# Altium PCB PCB_Kasli.PCBDOC (part 11 of 14) (continued)
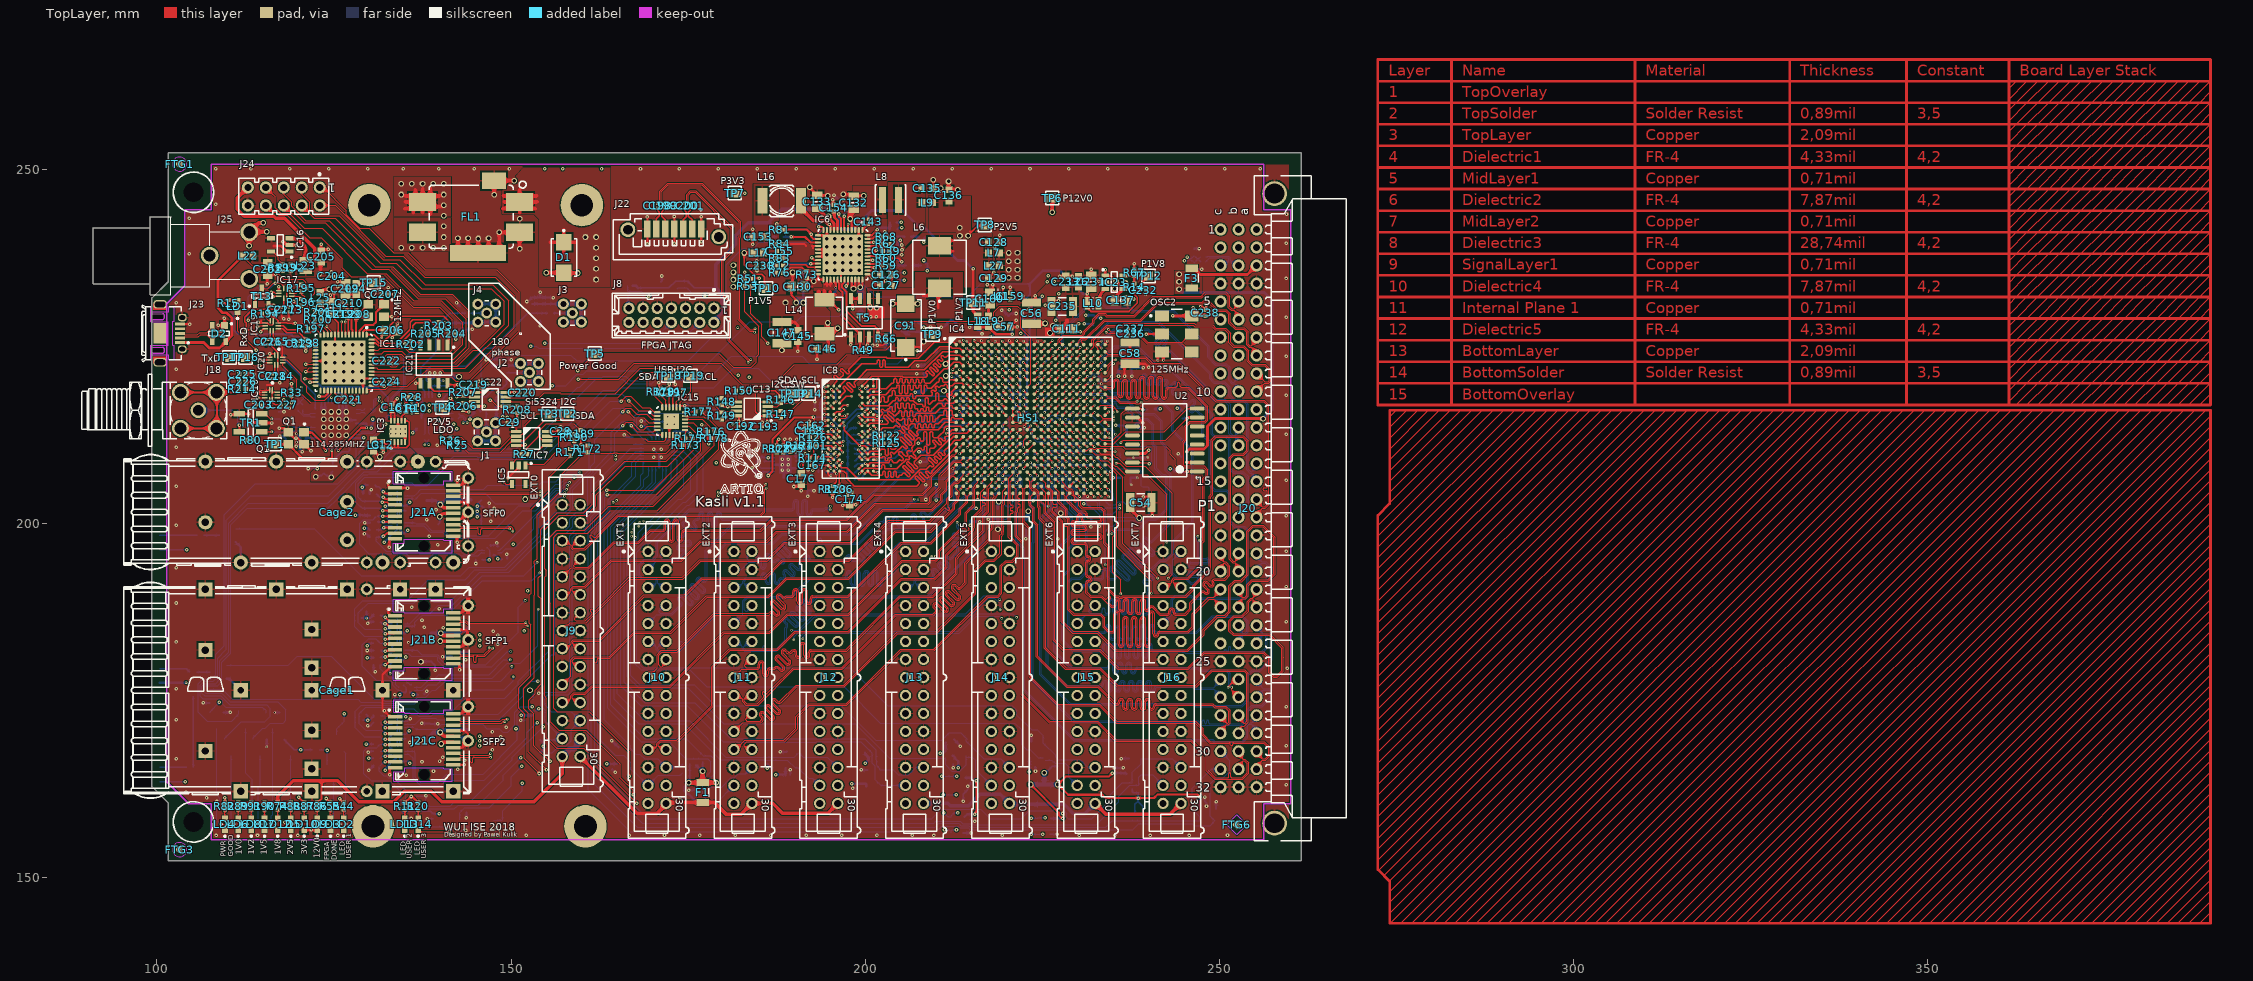
[diagram p0: TopLayer view]
## Nets (pads, with @x,y where several pads share a name; then routed paths per layer and width w, separated by ;. In a path a pad name is that pad's centre, name@x,y a point inside that pad or via, vN(x,y) a via of type N, cw(c..) or ccw(c..) an arc to the next point about the centre after c; other vN are vias at no path point) (continued)
NetC48_2: C48.2 C144.2 J3.2 R31.2 | length 12
  BottomLayer w0.3: C48.2@152.999,231.05 153.016,231.067 J3.2@157.378,231.067 ; J3.2@157.382,228.493 J3.2@159.922,228.493 J3.2@159.922,231.033 J3.2@157.382,231.033
NetC53_2: C53.2 J8.13 R58.1 T13.1 | length 60.4
  TopLayer w0.15: T13.1@113.858,230.879 v1(113.858,231.833)
  MidLayer2 w0.15: v1(113.858,231.833) 114.33,231.361 116.739,231.361 117.275,230.825 119.85,230.825 121.225,229.45 132.525,229.45 133.25,230.175 142.3,230.175 144.625,232.5 146.427,232.5 146.703,232.225 147.096,232.225 147.372,232.5 153.628,232.5 153.903,232.225 154.297,232.225 154.572,232.5 161.05,232.5 163.112,230.438 J8.13@166.644,230.438
  BottomLayer w0.125: J8.13@166.525,230.557 C53.2@166.525,232.125 166.78,232.38 R58.1@167.925,232.38
NetC126_1: C126.1 IC6.40 R59.1 R60.2 | length 4.2
  TopLayer w0.3: IC6.40@200.35,236.748 200.4,236.698 R59.1@202.37,236.698 ; C126.1@202.146,235.204 202.146,236.121 R59.1@202.325,236.3 ; R59.1@202.476,236.474 R60.2@202.476,237.49
NetC126_2: C126.2 C127.2 C128.2 L6.2 L7.1 L27.1 R59.2 | length 7.7
  TopLayer w0.3: R59.2@203.416,236.474 203.416,235.534 C126.2@203.746,235.204 C127.2@203.746,233.68 ; 212.5,238.5 211.25,238.5 L6.2@210.5,239.25 211.25,240 212.6,240
NetC134_1: C134.1 IC6.33 IC6.34 L6.1 T5.5 T5.6 | length 9.5
  TopLayer w0.3: IC6.33@198.1,234.498 198.1,233.463 v3(198.355,233.208) 198.6,233.453 IC6.34@198.6,234.498 ; T5.6@200.533,231.808 200.533,230.717 v3(200.7,230.55) ; T5.5@201.803,231.503 T5.5@201.803,231.808
  TopLayer w0.4: v3(200.7,230.55) 200.7,229.3 v1(200.775,229.225) ; 208.254,232.204 210.312,232.204 210.312,230.538
  other v1: 201.55,229.225
  other v3: 201.61,230.536
NetC134_2: C134.2 IC6.32 | length 2.7
  TopLayer w0.3: v1(197.31,233.586) 197.31,233.61 197.593,233.893 ; IC6.32@197.6,234.498 IC6.32@197.6,234.462 ; 197.593,233.893 197.593,234.455 IC6.32@197.6,234.462 ; 197.593,233.893 197.6,233.9 IC6.32@197.6,234.462
  BottomLayer w0.3: C134.2@197.15,232.525 197.15,233.05 197.31,233.21 v1(197.31,233.586)
NetC135_2: C135.2 C139.2 L8.2 L9.1 R62.2
NetC138_2: C138.2 R63.1 | length 1.2
  BottomLayer w0.3: R63.1@206.718,236.474 C138.2@207.888,236.474
NetC139_1: C139.1 IC6.45 R62.1 R68.2 | length 4.5
  TopLayer w0.3: IC6.45@200.35,239.248 200.4,239.198 201.469,239.198 201.494,239.223 202.476,239.223 R62.1@202.476,239.522 ; C139.1@202.496,238.506 202.496,239.522 R68.2@202.496,240.518
NetC140_1: C140.1 IC6.26 IC6.27 L14.1 T5.7 T5.8 | length 19
  TopLayer w0.254: 194.225,233.775 ccw(c194.051,234.324) IC6.26@194.58,234.097 ; IC6.26@194.6,234.15 cw(c194.051,234.324) IC6.26@194.58,234.097 ; 194.8,233.775 ccw(c194.589,234.287) 195.073,234.02 ; 194.85,233.8 cw(c195.074,234.274) 194.6,234.05 cw(c195.074,234.274) IC6.26@194.58,234.097 ; 195.1,233.975 cw(c195.487,234.236) 195.073,234.02 ; IC6.27@195.1,234.075 cw(c194.589,234.287) 195.073,234.02 ; IC6.27@195.102,234.23 ccw(c195.562,234.311) 195.3,233.925
  TopLayer w0.3: 194.6,233.625 194.6,234.05 194.6,234.15 IC6.26@194.6,234.498 ; 195.1,233.625 195.1,233.975 195.1,234.075 IC6.27@195.1,234.498 ; L14.1@195.326,232.002 195.326,231.676 195.326,231.174 v1(196.25,230.25) ; v1(198.225,230.4) 198.225,231.043 197.993,231.275 T5.8@197.993,231.808 T5.7@199.263,231.808
  TopLayer w0.5: 193.45,232.875 193.45,231.676 193.45,231.501 194.111,231.903 L14.1@194.25,231.988 ; 194.25,232.9 L14.1@194.25,231.988 ; 195.05,232.775 195.05,232.476 L14.1@194.25,231.988 ; 195.8,232.35 194.924,232.35 L14.1@194.25,231.676 L14.1@194.25,231.988
  MidLayer2 w0.3: v1(196.25,230.25) 196.4,230.4 v1(198.225,230.4)
  BottomLayer w0.15: C140.1@195.58,231.806 195.58,230.962 196.25,230.292 v1(196.25,230.25)
NetC140_2: C140.2 IC6.28 | length 2.2
  TopLayer w0.3: IC6.28@195.6,234.498 195.6,234.162 195.85,233.912 v2(195.85,233.375)
  BottomLayer w0.3: C140.2@195.58,232.506 195.58,232.605 195.85,232.875 v2(195.85,233.375)
NetC142_2: C142.2 R70.1 | length 1.1
  BottomLayer w0.3: R70.1@206.464,240.538 206.47,240.538 C142.2@207.576,240.538
NetC143_1: C143.1 IC6.3 L8.1 | length 0.8
  TopLayer w0.254: IC6.3@198.6,241.498 cw(c199.088,241.637) 198.95,242.125
NetC143_2: C143.2 IC6.1 | length 1.1
  TopLayer w0.3: IC6.1@199.6,241.498 C143.2@200.406,242.304
NetC145_2: C145.2 C146.2 C147.2 C150.2 L11.1 L12.1 L13.1 L14.2 L15.1 L28.1 R75.2 | length 17.9
  TopLayer w0.4: C147.2@188.25,228.5 190,228.5 190.5,228 C145.2@190.5,227.325 ; v3(194.716,228.371) L14.2@194.716,227.6 ; C146.2@194.8,224.75 194.8,226.275 L14.2@194.25,226.824 ; L14.2@195.374,226.824 L14.2@194.25,226.824 ; v3(196.15,227.6) L14.2@194.716,227.6 ; L14.2@194.25,226.824 194.716,227.291 L14.2@194.716,227.6
  TopLayer w0.5: L14.2@195.374,226.824 v3(196.15,227.6)
  BottomLayer w0.2: R75.2@187.49,235.458 C150.2@187.49,236.454
  BottomLayer w0.25: 202.5,226.25 203.2,226.25 L11.1@203.7,225.75 203.2,225.25 202.75,225.25 ; 202.75,224.75 203.225,224.75 L28.1@203.7,224.275 ; 202.75,226.75 203.225,226.75 L12.1@203.7,227.225
  BottomLayer w0.35: 202.5,225.75 L11.1@203.7,225.75
  other v3: 188.75,231.25
NetC150_1: C150.1 IC6.21 R75.1 R77.2 | length 8.7
  TopLayer w0.3: v1(192.309,236.748) IC6.21@193.35,236.748
  BottomLayer w0.1: C150.1@188.41,236.474 189.174,236.474 ; R77.2@188.43,237.49 189,237.49 189.174,237.316 189.174,236.748
  BottomLayer w0.3: C150.1@188.41,236.474 188.684,236.748 189.174,236.748 ; R75.1@188.43,235.458 188.536,235.458 189.174,236.096 189.174,236.474 189.448,236.748 v1(192.309,236.748)
NetC151_1: C151.1 IC6.10 L16.1 | length 6.5
  TopLayer w0.25: v1(194.95,242.275) v1@195.1,242.125
  TopLayer w0.3: IC6.10@195.1,241.498 v1@195.1,242.125
  TopLayer w0.5: L16.1@190.939,244.544 192.659,242.824 194.31,242.824 194.859,242.275 v1(194.95,242.275)
  BottomLayer w0.25: C151.1@194.406,242.57 194.701,242.275 v1(194.95,242.275)
NetC151_2: C151.2 IC6.12 | length 1.8
  TopLayer w0.25: v1(193.421,241.935) 193.915,241.935 194.1,241.75 IC6.12@194.1,241.498
  BottomLayer w0.25: v1(193.421,241.935) 193.421,242.285 193.693,242.557 C151.2@193.706,242.57
NetC152_2: C152.2 R79.1 | length 1.8
  BottomLayer w0.25: C152.2@185.712,240.538 R79.1@187.49,240.538
NetC153_2: C153.2 C155.2 L16.2 L17.1 R83.2 | length 0.8
  TopLayer w0.508: 186.75,237.75 186.846,237.654 187.326,237.654 R83.2@187.49,237.49
NetC155_1: C155.1 IC6.16 R83.1 R84.2 | length 6.2
  TopLayer w0.3: R83.1@188.43,237.49 188.43,238.506 R84.2@188.43,239.522 191.389,239.522 191.663,239.248 ; 192.5,239.25 192.502,239.248 IC6.16@193.35,239.248
NetC156_2: C156.2 IC6.38 IC6.43 IC6.44 IC6.47 | length 13.4
  TopLayer w0.3: IC6.38@200.35,235.748 200.878,235.748 v1(201.143,235.483) ; IC6.43@200.35,238.248 201.215,238.248 v1(201.574,238.608) 201.434,238.748 IC6.44@200.35,238.748 ; IC6.47@200.35,240.248 200.4,240.298 201.049,240.298 201.301,240.55 v1(201.7,240.55)
  MidLayer2 w0.3: v1(201.143,235.483) 200.457,236.169 200.457,237.585 201.48,238.608 v1(201.574,238.608) 201.574,239.014 201.905,239.344 201.905,240.157 201.7,240.362 v1(201.7,240.55)
  BottomLayer w0.3: v1(201.574,238.608) 201.828,238.608 202.743,239.522 C156.2@203.512,239.522
NetC157_2: C157.2 IC6.42 | length 3.5
  TopLayer w0.3: IC6.42@200.35,237.748 200.4,237.798 201.548,237.798 v1(201.625,237.875)
  BottomLayer w0.3: v1(201.625,237.875) 201.959,237.875 202.59,238.506 C157.2@203.512,238.506
NetC160_2: C160.2 L19.1 U1.B1 | length 3.4
  TopLayer w0.2: 218.656,231.906 U1.B1@218.952,231.906
  TopLayer w0.3: L19.1@217.424,229.35 217.424,230.674 217.638,230.888 218.656,231.906
NetC175_2: C175.2 IC9.1 R128.2 R129.2 | length 3.5
  TopLayer w0.2: R128.2@187.57,210.15 188.45,210.15 C175.2@189.425,210.15 v1(190.225,210.15)
  BottomLayer w0.3: IC9.1@190.225,209.35 v1(190.225,210.15)
NetC179A_2: C179A.2 C180A.2 C182A.2 C183A.2 J21A.15 L20A.2 | length 3.4
  TopLayer w0.4: v3(139.925,201.025) 140.373,201.473 J21A.15@141.834,201.473
  BottomLayer w0.2: C179A.2@139.65,199.85 139.925,200.125 v3(139.925,201.025)
NetC179B_2: C179B.2 C180B.2 C182B.2 C183B.2 J21B.15 L20B.2 | length 3.1
  TopLayer w0.4: v3@140.042,183.433 J21B.15@141.829,183.433
  BottomLayer w0.4: C180B.2@142.748,181.806 142.806,181.864 L20B.2@144.03,181.864
  other v3: 140.025,183.45
NetC179C_2: C179C.2 C180C.2 C182C.2 C183C.2 J21C.15 L20C.2 | length 1.8
  TopLayer w0.5: v3(140.125,168.925) 140.388,169.188 J21C.15@141.844,169.188
NetC184A_2: C184A.2 C185A.2 J21A.16 L21A.2 | length 8.9
  TopLayer w0.4: v3(140,202.725) 140.452,202.273 J21A.16@141.834,202.273
  BottomLayer w0.4: C184A.2@138.1,203.3 139.425,203.3 v3(140,202.725) 140.725,203.45 141.525,203.45 144.313,203.45 L21A.2@144.386,203.378
NetC184B_2: C184B.2 C185B.2 J21B.16 L21B.2 | length 7.5
  TopLayer w0.5: v3(140.075,184.575) 140.417,184.233 J21B.16@141.829,184.233
  BottomLayer w0.5: C184B.2@138.75,184.575 v3(140.075,184.575) 141.775,184.575 142.754,184.575 143.083,184.904 143.514,184.904 L21B.2@144.03,185.42
NetC184C_2: C184C.2 C185C.2 J21C.16 L21C.2 | length 8
  TopLayer w0.5: v3(139.975,170.55) 140.537,169.988 J21C.16@141.844,169.988
  BottomLayer w0.5: C184C.2@138.525,170.025 139.05,170.55 v3(139.975,170.55) 140.367,170.942 141.8,170.942 L21C.2@144.03,170.942
NetC194_2: C194.2 C195.2 J4.2 R32.2 | length 11.4
  BottomLayer w0.3: C194.2@141.606,228.359 C195.2@143.606,228.359 145.174,228.359 J4.2@145.299,228.484 J4.2@147.839,228.484 J4.2@147.839,231.024 ; J4.2@145.299,231.024 145.334,231.059 J4.2@147.839,231.059
NetC202_2: C202.2 IC16.1 IC16.4 L22.2 | length 2.6
  TopLayer w0.4: 116.5,239.25 117.5,239.25 118.309,238.441 IC16.1@118.72,238.441
NetC207_2: C207.2 IC18.3 Q2.1 TP15.1 | length 9.8
  TopLayer w0.125: TP15.1@130.6,234.075 131.757,232.918 C207.2@131.757,232.41
  TopLayer w0.3: IC18.3@128.615,226.708 128.615,227.294 129.413,228.092 130.556,228.092 130.937,228.473 130.937,229.874 131.757,230.694 131.757,230.974 C207.2@131.757,232.41
NetC208_2: C208.2 IC18.4 Q2.3 | length 4
  TopLayer w0.3: IC18.4@128.115,226.708 C208.2@128.115,229.138 ; C208.2@128.143,229.166 Q2.3@129.729,229.166
NetC209_2: C209.2 C210.2 IC18.5 L24.2 | length 7.5
  TopLayer w0.3: C209.2@126.619,232.372 126.669,232.422 L24.2@128.143,232.422 127.615,231.894 C210.2@127.615,231.14 ; C210.2@127.477,231.14 127.477,227.456 127.608,227.325 127.608,226.715 IC18.5@127.615,226.708
NetC211_2: C211.2 C212.2 IC18.9 L25.2 | length 5.7
  TopLayer w0.2: L25.2@123.063,231.152 123.063,231.012 124.475,229.6 C211.2@124.5,229.6 ; IC18.9@125.615,226.708 125.585,226.738 125.585,228.425 125.1,228.91 125.1,229.266 C212.2@125.857,229.266
NetC225_2: C225.2 C226.2 J18.2 R214.2 | length 20.1
  TopLayer w0.3: J18.2@103.678,213.487 J18.2@108.39,213.487 108.458,213.487 J18.2@108.458,218.567 ; J18.2@103.678,218.567 J18.2@108.39,218.567 J18.2@108.458,218.567 ; C225.2@111.625,221.15 111.625,220.06 111.625,219.045 R214.2@111.605,219.025 111.147,218.567 J18.2@108.458,218.567
NetC228_1: C228.1 J18.1 | length 4.8
  BottomLayer w0.19: J18.1@105.85,216.027 C228.1@110.673,216.027
NetC228_2: C228.2 R80.1 TR1.4 | length 5
  TopLayer w0.19: TR1.4@111.635,212.997 111.832,212.8 112.225,212.8 112.225,212.355 R80.1@112.755,211.825 ; TR1.4@111.65,213.013 v1(111.65,213.9)
  BottomLayer w0.19: C228.2@111.425,216.025 111.425,214.209 111.65,213.984 v1(111.65,213.9)
NetC230_2: C230.2 R12.1 | length 1.9
  TopLayer w0.25: C230.2@185.616,236.474 R12.1@187.49,236.474
NetD2_4: D2.4 J23.1 L22.1 R200.1 | length 39.3
  TopLayer w0.15: L22.1@112.075,237.825 113.45,236.45 114.572,236.45 115.022,236 116.5,236 116.775,235.725 116.947,235.725 117.225,235.447 117.225,235.275 117.931,234.569 120.581,234.569 121.031,234.119 121.031,233.858 121.239,233.65 121.775,233.65 122.3,233.125 122.3,232.578 121.55,231.828 121.55,229.643 R200.1@122.339,228.854
  TopLayer w0.4: J23.1@103.425,225.6 106.616,225.6 107.375,224.841 108.84,224.841 D2.4@109.722,225.723 110.575,226.575 110.575,229.05 109.825,229.8 109.275,229.8 108.6,230.475 108.6,234.35 L22.1@112.075,237.825
NetF1_2: F1.2 J9.30 J10.30 J11.30 J12.30 | length 42.8
  TopLayer w0.5: J9.30@159.766,167.132 167.798,159.1 170.6,159.1 171.886,160.386 J10.30@171.886,160.528 172.01,160.652 177.05,160.652 178.723,160.652 180.35,159.025 182.502,159.025 J11.30@184.005,160.528 186.947,160.528 188.325,159.15 194.746,159.15 J12.30@196.124,160.528
NetF2_2: F2.2 J13.30 J14.30 J15.30 J16.30 | length 40
  TopLayer w0.5: J15.30@232.483,160.528 233.986,159.025 243.099,159.025 J16.30@244.602,160.528
  BottomLayer w0.5: J13.30@208.244,160.528 211.672,160.528 212,160.2 214.6,160.2 216.218,161.818 219.073,161.818 J14.30@220.363,160.528 ; J14.30@220.493,160.398 F2.2@225.298,160.398 228.102,160.398 229.425,159.075 231.03,159.075 J15.30@232.483,160.528
NetF3_2: F3.2 J20.a3 | length 10
  TopLayer w0.4: F3.2@246.126,236.096 246.404,236.096 247.276,235.224 253.974,235.224 255.247,236.497 J20.a3@255.25,236.5
NetFL1_1: FL1.1 J25.3 | length 38.8
  TopLayer w0.5: v3(113,239.25) 113,241.137 J25.3@113.036,241.173 J25.3@113.113,241.25 ; v3(115,242.5) 114.363,242.5 J25.3@113.113,241.25 ; v3(115.5,241.25) J25.3@113.113,241.25 ; 135,244.5 FL1.1@136.559,244.5 ; 135,246.3 FL1.1@136.669,246.3 ; 135.045,245.455 FL1.1@137.514,245.455 ; 136.2,243.9 136.2,244.141 FL1.1@136.559,244.5 ; 136.5,247.2 136.5,246.469 FL1.1@136.669,246.3 ; 137.514,243.914 FL1.1@137.514,245.455 ; 137.514,247.286 FL1.1@137.514,245.455 ; 138.6,243.7 138.6,244.369 FL1.1@138.169,244.8 ; 138.6,247.4 138.6,246.541 FL1.1@138.359,246.3 ; v3@140.2,244.8 FL1.1@138.169,244.8 ; v3@140.2,246.3 FL1.1@138.359,246.3 ; FL1.1@136.559,244.5 FL1.1@137.514,245.455 ; FL1.1@136.669,246.3 FL1.1@137.514,245.455 ; FL1.1@137.514,245.455 FL1.1@138.359,246.3 ; FL1.1@137.514,245.455 FL1.1@138.169,244.8
  MidLayer2 w0.35: 112.059,240.196 J25.3@113.036,241.173 112.059,242.15
  MidLayer2 w0.5: v3@113.036,239.514 J25.3@113.036,241.173 ; 113.036,242.736 J25.3@113.036,241.173 ; 114.007,240.202 J25.3@113.036,241.173 ; 114.013,242.15 J25.3@113.036,241.173 ; 114.473,241.173 J25.3@113.036,241.173
  other v3: 140.5,243.5 140.5,245 134.5,246.5 140.5,246.5 134.5,248 136,248 137.5,248 139,248 140.5,248
NetFL1_3: FL1.3 J25.1 J25.2 | length 20.4
  SignalLayer1 w0.35: 106.459,236.896 J25.1@107.436,237.873 106.459,238.85 ; 112.059,233.596 J25.2@113.036,234.573 112.059,235.55
  SignalLayer1 w0.5: 107.436,236.214 J25.1@107.436,237.873 ; 107.436,239.436 J25.1@107.436,237.873 ; 108.407,236.902 J25.1@107.436,237.873 ; 108.413,238.85 J25.1@107.436,237.873 ; 108.873,237.873 J25.1@107.436,237.873 ; 113.036,232.914 J25.2@113.036,234.573 ; 113.036,236.136 J25.2@113.036,234.573 ; 114.007,233.602 J25.2@113.036,234.573 ; 114.013,235.55 J25.2@113.036,234.573 ; 114.473,234.573 J25.2@113.036,234.573
  other v3: 134.5,239 136,239 137.5,239 139,239 140.5,239 140.5,240.5 140.5,242
NetIC2_1: IC2.1 R22.2 | length 4.4
  BottomLayer w0.2: R22.2@124.841,208.396 124.841,208.941 126.1,210.2 126.988,210.2 127.222,210.434 IC2.1@127.222,211.249
NetIC2_6: IC2.6 Q1.3 TP1.1 | length 11
  TopLayer w0.125: v2@124.664,210.389 v2@124.714,210.439
  TopLayer w0.3: TP1.1@116.65,211.25 118.524,211.25 Q1.3@118.534,211.24 120.553,209.221 124.714,209.221 v2(124.714,210.339)
  BottomLayer w0.3: v2(124.714,210.339) 124.722,210.347 IC2.6@124.722,211.249
NetIC2_7: IC2.7 Q1.1 | length 5.5
  TopLayer w0.3: Q1.1@120.734,212.895 121.877,212.895 123.55,211.222 123.55,210.714 v2@123.825,210.439
  BottomLayer w0.3: v2(123.825,210.339) 124.222,210.736 IC2.7@124.222,211.249
NetIC2_18: IC2.18 T1.1 | length 9.6
  BottomLayer w0.2: T1.1@117.99,223.962 117.99,223.212 120.375,220.827 120.375,220.2 122.322,218.253 IC2.18@122.322,216.149
NetIC2_21: IC2.21 R17.2 | length 1.4
  BottomLayer w0.2: IC2.21@124.222,217.049 124.2,217.071 124.2,218.395 R17.2@124.222,218.417
NetIC2_22: IC2.22 IC7.2 R26.1 TP3.1 | length 39.8
  TopLayer w0.125: v1(140.107,212.235) 140.117,212.225 143,212.225 144.575,210.65 148.461,210.65 150.186,212.375 IC7.2@150.725,212.375 151.275,212.375 152,213.1 152,213.9 153.625,215.525 TP3.1@155.35,215.525
  MidLayer2 w0.125: v2(124.625,217.825) 125.45,218.65 128.425,218.65 129.7,217.375 129.7,214.6 130.1,214.2 130.5,214.2 130.975,213.725 130.975,213.125 132,212.1 136.665,212.1 136.8,212.235 v1(140.107,212.235)
  BottomLayer w0.125: v2(124.625,217.825) 124.7,217.75 124.7,217.071 IC2.22@124.722,217.049
NetIC2_23: IC2.23 IC7.3 R25.1 TP2.1 | length 39.9
  TopLayer w0.125: v1(140.495,211.595) 140.571,211.671 142.45,211.671 R25.1@142.45,211.595 143.97,210.075 148.475,210.075 150.125,211.725 IC7.3@150.725,211.725 151.875,211.725 154.75,214.6 157,214.6 TP2.1@157.95,215.55
  MidLayer2 w0.125: v2(125.206,217.811) 125.657,217.811 128.6,214.868 128.6,213.5 129.5,212.6 130.5,212.6 131.505,211.595 v1(140.495,211.595)
  BottomLayer w0.125: v2@125.2,217.817 v2(125.206,217.811) 125.222,217.795 IC2.23@125.222,217.049
NetIC4_F8: IC4.F8 R191.2 | length 8.5
  TopLayer w0.125: v2(219.372,220.815) IC4.F8@219.872,220.315
  MidLayer2 w0.125: v2(217.725,226.5) 218.6,226.5 218.9,226.2 218.9,221.287 v2(219.372,220.815)
  BottomLayer w0.125: v2(217.725,226.5) 217.9,226.5 R191.2@218.455,227.055
NetIC4_N12: IC4.N12 R52.2 | length 17
  TopLayer w0.125: v2(223.475,212.825) 223.385,212.825 223.384,212.827 223.429,212.871 IC4.N12@223.872,213.315
  BottomLayer w0.09: v2(223.475,212.825) 223.475,212.719 223.675,212.519 223.675,212.176 224.231,211.62 224.325,211.62 224.475,211.62 224.564,211.62 224.602,211.658 224.993,211.658 225.298,211.353 225.575,211.353 225.995,211.773 225.995,211.913 226.357,212.275 227.575,212.275 228.002,211.848 228.002,211.662 228.239,211.425 233.066,211.425 233.858,212.217 233.858,212.954 234.163,213.258 234.594,213.258 234.874,212.979 234.874,212.42 235.014,212.28 R52.2@235.94,212.28
NetIC4_U9: IC4.U9 R48.2 | length 6.6
  TopLayer w0.125: v2(220.386,208.835) 220.386,208.829 220.389,208.832 IC4.U9@220.872,209.315
  BottomLayer w0.1: R48.2@219.65,204.97 219.747,205.067 219.747,205.97 219.527,206.19 218.935,206.19 218.75,206.375 218.75,208.15 219.04,208.44 219.972,208.44 220.367,208.835 v2(220.386,208.835)
NetIC4_U10: IC4.U10 R47.2 | length 8.4
  TopLayer w0.125: v2(221.372,208.815) IC4.U10@221.872,209.315
  BottomLayer w0.1: R47.2@220.175,203.195 220.125,203.245 220.125,206 219.7,206.425 219.257,206.425 219.03,206.651 219.03,206.962 219.504,207.436 219.523,207.436 219.945,207.858 219.945,207.928 220.364,208.348 220.905,208.348 v2(221.372,208.815)
NetIC4_U11: IC4.U11 R46.2 | length 6.5
  TopLayer w0.125: v2(222.372,208.815) IC4.U11@222.872,209.315
  BottomLayer w0.1: R46.2@220.775,204.97 220.795,204.97 221.265,205.44 221.527,205.44 221.747,205.66 221.747,205.97 221.417,206.3 221.341,206.3 221.011,206.63 221.011,206.959 221.1,207.048 221.1,207.552 220.986,207.666 220.986,207.99 221.374,208.379 221.936,208.379 v2(222.372,208.815)
NetIC6_5: IC6.5 IC6.14 R78.2 R81.2 | length 17.6
  TopLayer w0.3: R81.2@188.43,241.554 191.77,241.554 v1(192.405,240.919) 192.405,240.538 192.695,240.248 IC6.14@193.35,240.248 ; IC6.5@197.6,241.498 v2(197.6,242.304)
  MidLayer2 w0.125: v1(192.405,240.919) 192.405,242.155 193.025,242.775 197.129,242.775 v2(197.6,242.304)
  BottomLayer w0.3: R78.2@188.43,241.554 191.77,241.554 v1(192.405,240.919)
NetIC6_6: IC6.6 R92.1 R93.2 | length 3.7
  TopLayer w0.3: v1(197.025,243.45) 197,243.425 197,241.598 IC6.6@197.1,241.498
  BottomLayer w0.2: v1(197.025,243.45) 197.025,244.053 R92.1@197.104,244.132 198.112,244.132 R93.2@198.116,244.128
NetIC6_15: IC6.15 R79.2 | length 5.2
  TopLayer w0.3: v1(189.586,240.513) 191.516,240.513 192.281,239.748 IC6.15@193.35,239.748
  BottomLayer w0.3: R79.2@188.455,240.513 v1(189.586,240.513)
NetIC6_22: IC6.22 R12.2 | length 5.1
  TopLayer w0.2: R12.2@188.43,236.474 188.556,236.6 191.598,236.6 191.975,236.223 193.325,236.223 IC6.22@193.35,236.248
NetIC6_23: IC6.23 R73.1 R76.2 | length 5.5
  TopLayer w0.3: R76.2@188.43,235.458 188.646,235.674 188.934,235.674 189.46,236.2 190.46,236.2 ; 190.46,236.2 191.04,236.2 191.45,235.79 191.45,235.674 R73.1@191.77,235.674 191.844,235.748 IC6.23@193.35,235.748
NetIC6_29: IC6.29 R49.1 T5.2 | length 11.3
  TopLayer w0.25: IC6.29@196.1,234.498 196.236,234.362 196.236,234.037 196.239,234.034
  TopLayer w0.3: 196.239,234.034 196.35,233.923 196.35,233.143 196.823,232.67 196.823,229.235 199.263,226.796 T5.2@199.263,226.408 199.263,224.533 R49.1@199.23,224.5
NetIC6_31: IC6.31 R66.1 T5.4 | length 12.3
  TopLayer w0.3: IC6.31@197.1,234.498 197.1,234.15 197.072,234.15 196.989,234.067 196.989,234.062 196.761,233.834 196.756,233.834 196.75,233.828 196.75,233.372 196.76,233.363 196.76,233.359 197.082,233.036 197.086,233.036 197.35,232.772 197.35,230.097 199.533,227.914 201.371,227.914 201.803,227.482 201.803,226.658 R66.1@202.95,226.658
NetIC6_37: IC6.37 R61.2 R65.2 | length 4.3
  TopLayer w0.3: IC6.37@200.35,235.248 200.514,235.248 v1(200.99,234.772)
  BottomLayer w0.3: v1(200.99,234.772) 201.068,234.85 203.492,234.85 R61.2@203.492,235.458 ; R65.2@203.492,234.442 203.492,234.45 203.492,234.772
NetIC6_39: IC6.39 R64.2 | length 3.3
  TopLayer w0.3: IC6.39@200.35,236.248 201.173,236.248 v1(201.285,236.137)
  BottomLayer w0.3: v1(201.285,236.137) 201.622,236.474 R64.2@203.492,236.474
NetIC6_41: IC6.41 R85.2 | length 3.2
  TopLayer w0.3: IC6.41@200.35,237.248 v1(201.078,237.248)
  BottomLayer w0.3: v1(201.078,237.248) 201.103,237.223 201.838,237.223 202.079,237.465 R85.2@203.467,237.465
NetIC6_46: IC6.46 R71.2 | length 3.5
  TopLayer w0.3: IC6.46@200.35,239.748 v1(201.242,239.748)
  BottomLayer w0.3: v1(201.242,239.748) 201.676,239.748 202.466,240.538 203.48,240.538 R71.2@203.492,240.538
NetIC6_48: IC6.48 R69.1 R72.2 | length 4.6
  TopLayer w0.3: IC6.48@200.35,240.748 200.94,240.748 v1(201.696,241.503)
  BottomLayer w0.3: v1(201.696,241.503) 201.75,241.503 202.058,241.812 202.988,241.812 203.04,241.759 203.383,241.759 203.473,241.669 203.492,241.65 203.492,241.675 R72.2@203.492,242.57
NetIC7_5: IC7.5 R27.2 | length 3.3
  TopLayer w0.125: R27.2@152.345,209.825 152.395,209.875 153.4,209.875 154.6,211.075 IC7.5@155.125,211.075
NetIC8_L2: IC8.L2 R124.2 | length 8
  TopLayer w0.1: R124.2@191.47,211.125 191.47,211.05 191.47,210.855 191.975,210.35 v2(192.1,210.35) ; IC8.L2@195.567,211.449 195.888,211.449 196.312,211.025 v2(196.825,211.025)
  MidLayer2 w0.1: v2(192.1,210.35) 192.775,211.025 195.1,211.025 195.6,210.525 196.05,210.525 196.55,211.025 v2(196.825,211.025)
NetIC8_L8: IC8.L8 R125.2 | length 2.4
  TopLayer w0.125: IC8.L8@200.367,211.449 200.718,211.098 202.591,211.098 R125.2@202.605,211.111
NetIC9_9: IC9.9 R127.1 | length 1.5
  BottomLayer w0.2: R127.1@185.695,208.85 IC9.9@187.225,208.85
NetIC10_8: IC10.8 IC18.27 R33.1 | length 8.3
  TopLayer w0.125: IC10.8@117,217.8 117.4,217.8 117.63,218.03 R33.1@119,218.03 v1(119,217.1) ; v1(121.608,220.008) IC18.27@122.415,220.008
  MidLayer2 w0.125: v1(119,217.1) 119.8,217.1 121.608,218.908 v1(121.608,220.008)
NetIC11A_8: IC11A.8 J21A.3 R212A.2 | length 4.3
  TopLayer w0.2: v1(131.975,203.75) 132.252,203.473 J21A.3@133.634,203.473
  BottomLayer w0.2: R212A.2@130.984,204.216 131.45,203.75 v1(131.975,203.75) 132.167,203.558 IC11A.8@133.213,203.558
NetIC11A_9: IC11A.9 J21A.2 R134A.1 | length 4.9
  TopLayer w0.2: v1(131.975,204.55) 132.252,204.273 J21A.2@133.634,204.273
  BottomLayer w0.2: R134A.1@130.72,205.5 130.992,205.228 131.297,205.228 v1(131.975,204.55) 132.5,204.025 133.146,204.025 IC11A.9@133.213,203.958
NetIC11B_8: IC11B.8 J21B.3 R212B.2 | length 3.5
  TopLayer w0.2: v1@132.31,186.002 132.879,185.433 J21B.3@133.629,185.433
  BottomLayer w0.2: R212B.2@131.534,186.182 131.816,185.9 v1(132.2,185.9) 132.572,185.528 IC11B.8@133.212,185.528
NetIC11B_9: IC11B.9 J21B.2 R134B.1 | length 4
  TopLayer w0.2: v1(132.229,186.825) 132.822,186.233 J21B.2@133.629,186.233
  BottomLayer w0.2: R134B.1@131.534,187.198 131.534,187.178 131.724,186.988 131.985,186.988 132.148,186.825 v1(132.229,186.825) 132.287,186.768 132.287,186.488 132.375,186.4 132.407,186.4 132.7,186.107 132.7,186.075 132.847,185.928 IC11B.9@133.212,185.928
NetIC11C_8: IC11C.8 J21C.3 R212C.2 | length 3.5
  TopLayer w0.125: v1(132.225,171.188) J21C.3@133.644,171.188
  BottomLayer w0.125: R212C.2@131.534,171.958 131.597,171.896 131.597,171.816 v1(132.225,171.188) 133.096,171.188 IC11C.8@133.212,171.304
NetIC11C_9: IC11C.9 J21C.2 R134C.1 | length 4.1
  TopLayer w0.125: v1(132.225,171.988) J21C.2@133.644,171.988
  BottomLayer w0.125: R134C.1@131.534,172.974 131.608,172.9 132.1,172.9 132.225,172.775 v1(132.225,171.988) 132.509,171.704 IC11C.9@133.212,171.704
NetIC12A_8: IC12A.8 J21A.8 R138A.1 | length 4.1
  TopLayer w0.2: v1(132.023,199.473) J21A.8@133.634,199.473
  BottomLayer w0.2: R138A.1@130.984,199.136 131.686,199.136 v1(132.023,199.473) 132.298,199.748 IC12A.8@133.213,199.748
NetIC12A_9: IC12A.9 J21A.7 R213A.2 | length 3.9
  TopLayer w0.2: v1(131.927,200.273) J21A.7@133.634,200.273
  BottomLayer w0.2: R213A.2@131.105,200.273 v1(131.927,200.273) 132.052,200.148 IC12A.9@133.213,200.148
NetIC12B_8: IC12B.8 J21B.8 R138B.1 | length 3.4
  TopLayer w0.2: v1(132.25,181.2) 132.331,181.2 132.414,181.283 133.479,181.283 J21B.8@133.629,181.433
  BottomLayer w0.2: R138B.1@131.534,181.102 131.632,181.2 v1(132.25,181.2) 132.307,181.257 132.451,181.257 132.912,181.718 IC12B.8@133.212,181.718
NetIC12B_9: IC12B.9 J21B.7 R213B.2 | length 3.2
  TopLayer w0.2: v1(132.25,182.025) 132.331,182.025 132.389,182.083 133.479,182.083 J21B.7@133.629,182.233
  BottomLayer w0.2: R213B.2@131.649,182.233 131.649,182.118 131.649,182.1 131.724,182.025 v1(132.25,182.025) 132.331,182.025 132.424,182.118 IC12B.9@133.212,182.118
NetIC12C_8: IC12C.8 J21C.8 R138C.1 | length 3.4
  TopLayer w0.125: v1(132.225,167.188) J21C.8@133.644,167.188
  BottomLayer w0.125: R138C.1@131.534,166.878 131.844,167.188 v1(132.225,167.188) 132.531,167.494 IC12C.8@133.212,167.494
NetIC12C_9: IC12C.9 J21C.7 R213C.2 | length 3
  TopLayer w0.125: v1(132.225,167.988) J21C.7@133.644,167.988
  BottomLayer w0.125: R213C.2@131.534,167.894 131.887,167.894 131.98,167.988 v1(132.225,167.988)
  BottomLayer w0.2: v1@132.319,167.894 IC12C.9@133.212,167.894
NetIC13_5: IC13.5 R150.2 | length 1.5
  TopLayer w0.125: IC13.5@181.785,217.268 R150.2@181.785,218.785
NetIC13A_8: IC13A.8 J21A.6 R137A.1 | length 27.3
  TopLayer w0.2: v1(131.902,201.073) J21A.6@133.634,201.073
  BottomLayer w0.125: R137A.1@130.984,201.084 130.515,200.615 129.135,200.615 128.6,200.079 128.6,197.1 129.9,195.8 135.2,195.8 135.7,195.3 138.564,195.3 139.064,195.8 141.317,195.8 ; 141.317,195.8 142.6,195.8 142.9,195.5 145.4,195.5 145.8,195.9 IC13A.8@146.3,195.9
  BottomLayer w0.2: R137A.1@131.079,201.073 v1(131.902,201.073)
NetIC13A_9: IC13A.9 J21A.9 R130A.2 | length 20.1
  TopLayer w0.2: v1(131.975,198.225) 132.423,198.673 J21A.9@133.634,198.673
  BottomLayer w0.125: R130A.2@130.984,198.12 130.984,197.516 132.4,196.1 136.8,196.1 137.1,195.8 138.6,195.8 139,196.2 142.8,196.2 143.286,195.714 144.814,195.714 145.4,196.3 IC13A.9@146.3,196.3
  BottomLayer w0.2: R130A.2@130.984,198.12 131.87,198.12 v1(131.975,198.225)
NetIC13B_8: IC13B.8 J21B.6 R137B.1 | length 16.3
  TopLayer w0.2: v1(132.25,183.033) J21B.6@133.629,183.033 J21B.6@134.467,183.033
  BottomLayer w0.125: v1(132.25,183.033) 132.149,183.134 R137B.1@131.534,183.134 130.868,183.8 129.9,183.8 129,182.9 129,179.9 131,177.9 132.95,177.9 133.3,177.55 133.3,177.2 134,176.5 IC13B.8@134.5,176.5